# KiCad board Duet3_MB.kicad_pcb (continued)
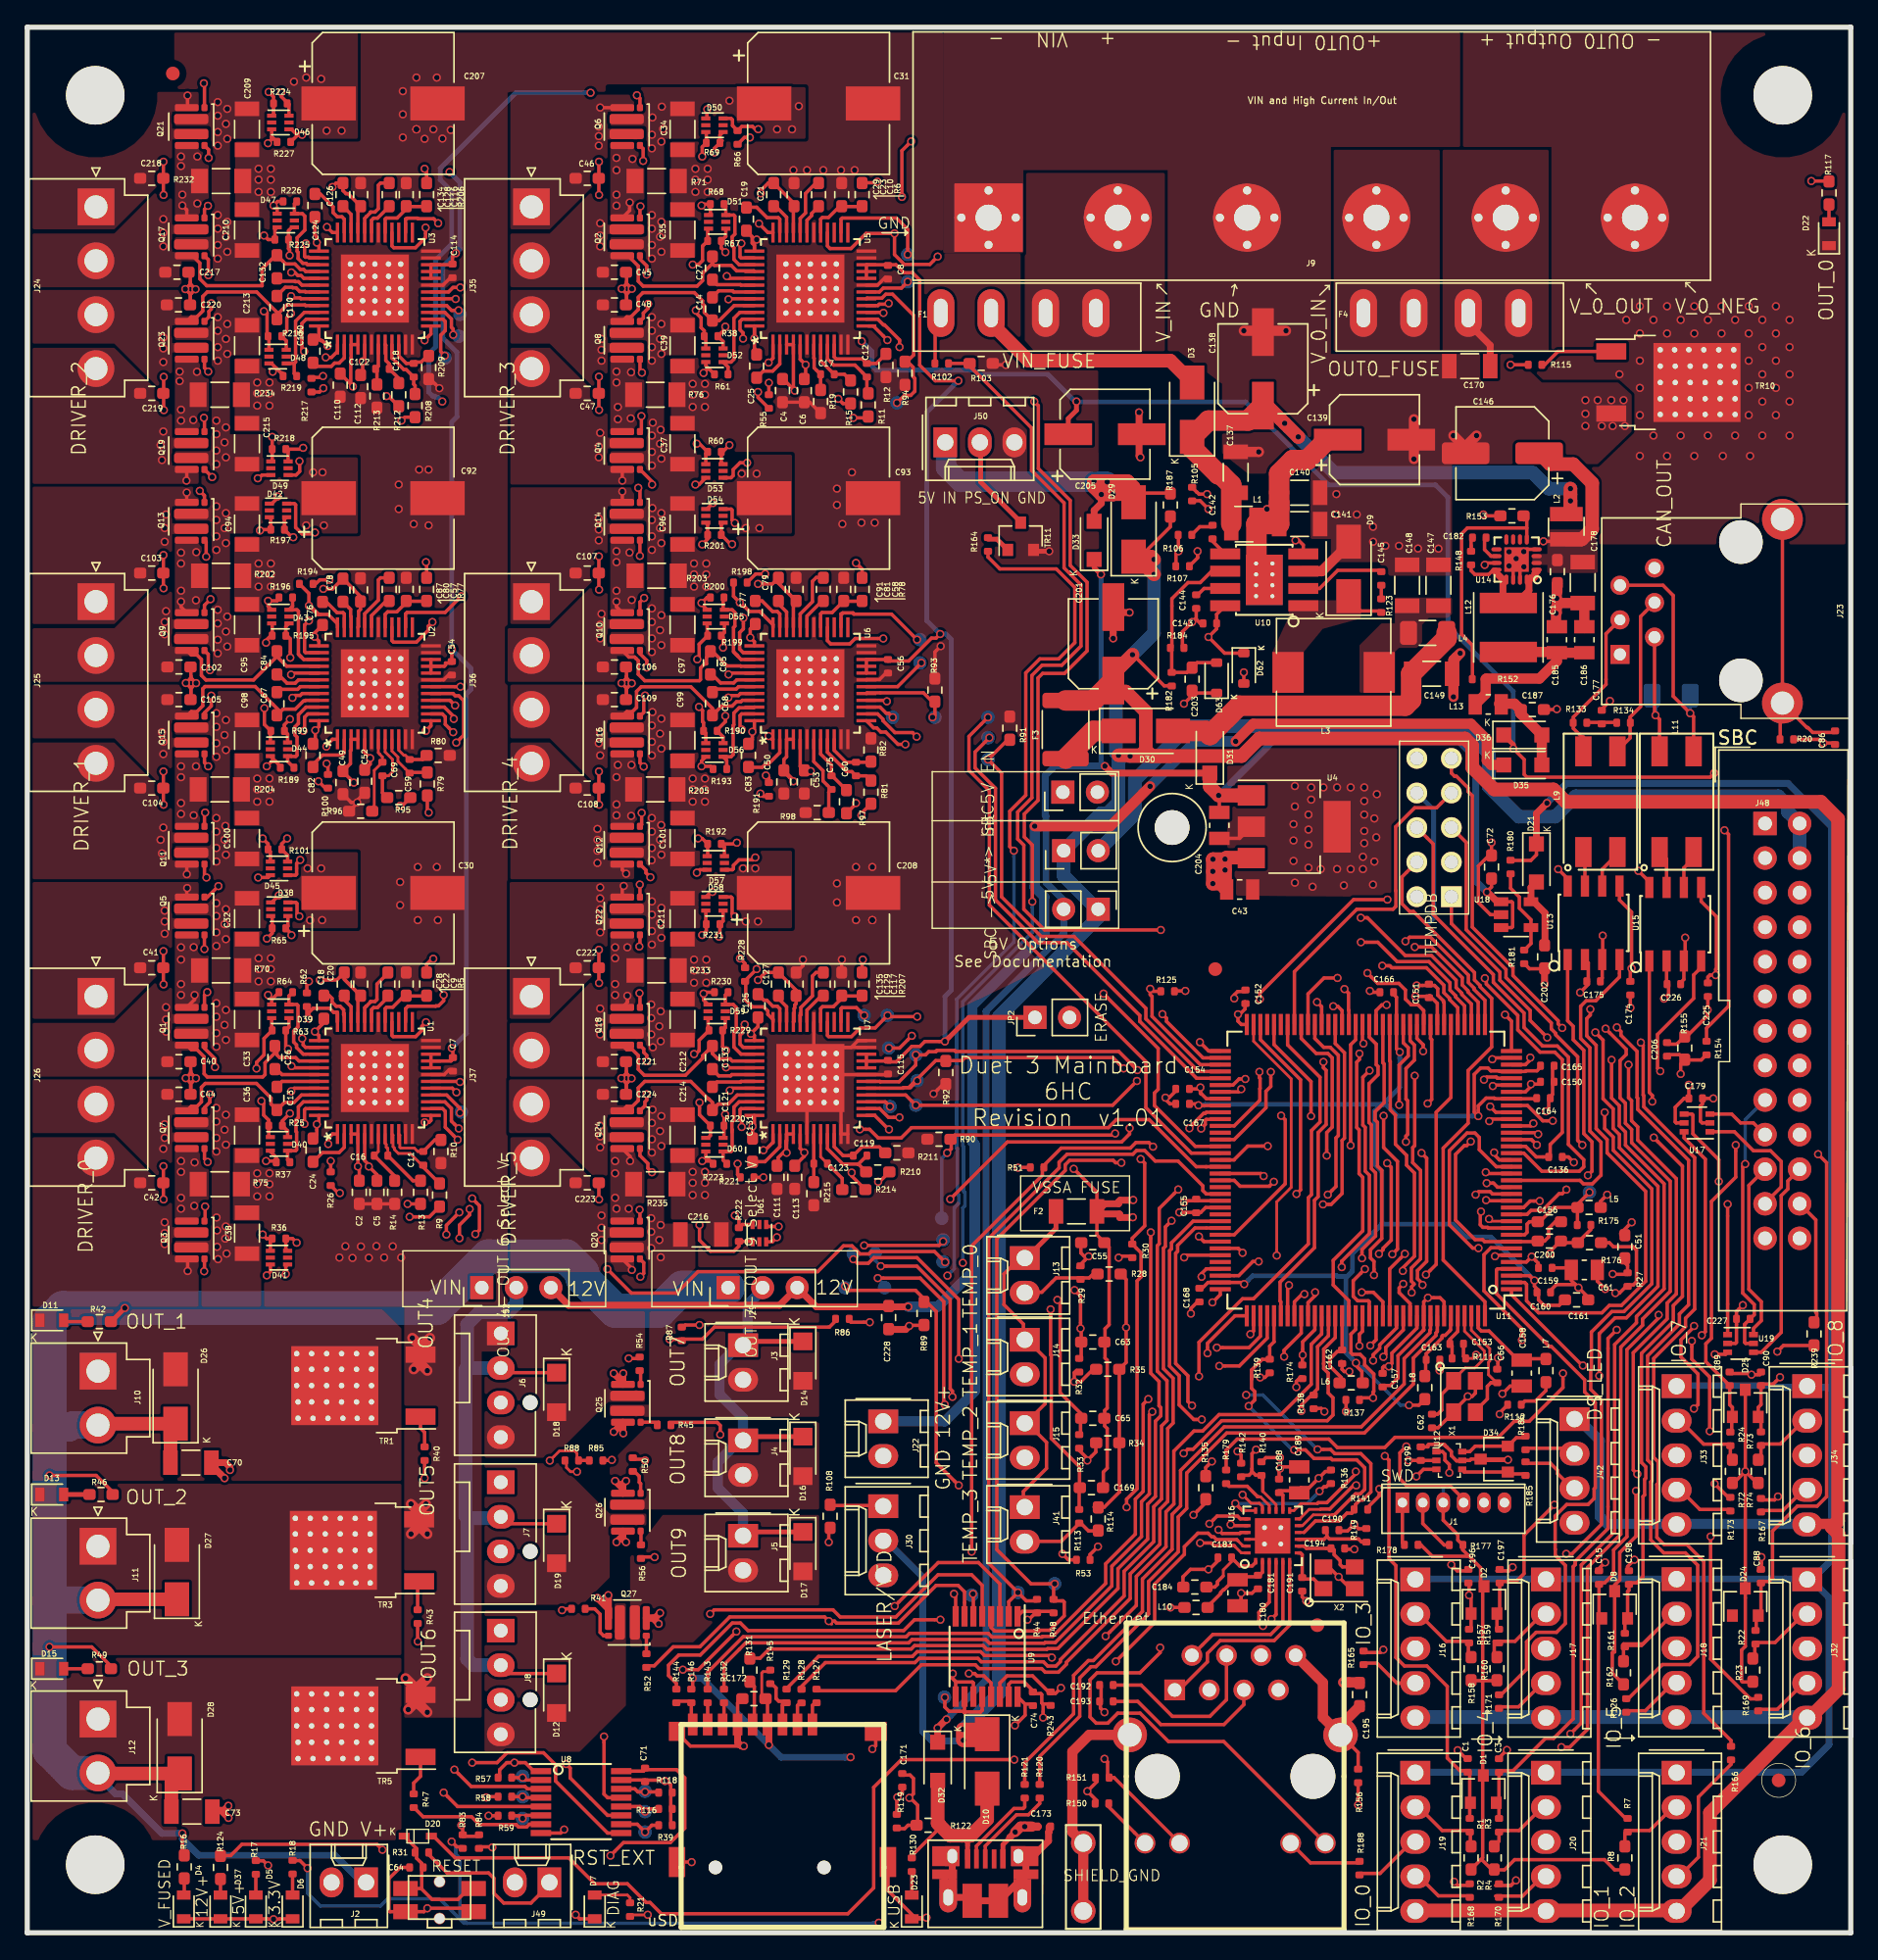
[diagram p0: board, top side]
## Routing (per net, layer and track width the routed paths; a pad name or vN(x,y) marks a point on that pad's centre or on a via; arc(x,y) is an arc through that point) (continued)
GMDC: length 26.3
  Top w0.2: 95.97,30.71 94.5,30.71 93.7,29.91 U16.11
  Top w0.25: v1(93.1,35.48) 93.93,35.48 94.56,34.85 95.8,34.85 95.9,34.75 97.69,34.75 98.28,34.16 98.28,32.57 97.96,32.25 97.61,32.25 96.07,30.71 95.92,30.71 ; 89.97,40.67 89.97,40.97 ; 89.97,40.67 89.97,41.35 90.75,42.12 91.3,42.12 91.3,43.1 91.61,43.41 91.62,43.41 U11.113 ; 89.97,40.67 89.97,40 90.21,39.76 90.21,39.15 v1(89.76,38.7)
  Bottom w0.25: v1(89.76,38.7) 92.97,35.48 v1(93.1,35.48)
GMDIO: length 26.2
  Top w0.2: U16.10 93.82,29.41
  Top w0.25: v1(89.88,43.97) 90.12,44.21 U11.110 ; 93.82,29.41 94.66,30.25 96.4,30.25 96.97,30.83 97.34,30.83 97.61,31.1 97.61,31.47 97.94,31.8 98.14,31.8 98.73,32.39 98.73,34.47 98,35.2 96.09,35.2 95.77,35.51 v1(94.82,35.51)
  In1.Cu w0.25: v1(89.57,39.51) 89.88,39.82 v1(89.88,43.97)
  Bottom w0.25: v1(94.82,35.51) 94.79,35.51 90.79,39.51 v1(89.57,39.51)
GRX0: length 20.4
  Top w0.2: U16.13 93.08,31.02 93.59,31.53 94.8,31.53
  Top w0.25: 97.89,39.15 98.03,39.3 v1(98.9,39.3) 98.9,39.72 98.95,39.77 98.95,41.05 98.28,41.72 98.28,42.16 97.94,42.49 97.39,42.49 97.27,42.61 97.27,43.98 97.62,44.33 U11.125 ; v1(97.62,33.89) 97.62,33.72 95.5,31.6 94.87,31.6 94.8,31.53
  In1.Cu w0.25: v1(97.62,33.89) 97.62,38.02 v1(98.9,39.3)
GRX1: length 20.3
  Top w0.2: 95.05,31.13 95.03,31.11 94.2,31.11 93.5,30.41 U16.12
  Top w0.25: 95.05,31.13 95.71,31.13 97.46,32.87 v1(97.66,32.87) ; U11.121 95.62,43.86 94.82,43.06 94.82,39.96 93.62,38.76 v1(93.62,38.34)
  In1.Cu w0.25: v1(97.66,32.87) 97,33.53 97,34.96 v1(93.62,38.34)
GRXDV: length 21.1
  Top w0.2: 90.79,32.43 91.77,31.46 U16.15
  Top w0.25: 90.79,32.43 90.79,33.36 90.69,33.46 ; 90,34.1 90,33.84 89.78,33.61 89.2,33.61 ; 90,34.1 90,35.2 v1(90.3,35.5) ; 90,34.1 90,33.89 90.27,33.62 90.69,33.62 ; v1(97.89,43.12) 97.89,43.97 98.12,44.2 U11.126
  In1.Cu w0.25: v1(97.89,43.12) 95.4,43.12 92.63,40.35 92.63,39.55 92.09,39.01 92.09,37.63 90.29,35.83 90.29,35.51 v1(90.3,35.5)
GRXER: length 18.3
  Top w0.2: v1(89.31,32.18) 89.93,31.56 90.54,31.56 90.77,31.33 U16.17
  Top w0.25: 93.7,41.6 93.7,42.43 v1(93.72,42.45) 93.72,43.41 94.62,44.31 U11.119
  In1.Cu w0.25: v1(93.72,42.45) 93.72,42.12 92.18,40.57 92.18,39.74 91.64,39.2 91.64,37.81 89.61,35.78 89.61,32.48 v1(89.31,32.18)
GTX0: length 23.7
  Top w0.25: v1(88.43,29.99) 88.51,29.91 U16.20 ; v1(98.9,42.04) 98.9,42.46 99.38,42.94 99.38,43.19 100.62,44.43 U11.131
  In1.Cu w0.25: v1(88.43,29.99) 88.85,29.99 91.4,32.54 91.4,35.32 92.99,36.92 92.99,38.64 93.32,38.97 96.43,38.97 98.9,41.44 v1(98.9,42.04)
GTX1: length 25
  Top w0.25: U16.21 89.17,29.41 89.1,29.34 87.81,29.34 v1(87.54,29.61) ; U11.128 99.12,43.57 v1(98.69,43.14)
  In1.Cu w0.25: v1(87.54,29.61) 87.54,30.03 88.3,30.8 88.91,30.8 90.95,32.84 90.95,35.82 92.54,37.42 92.54,38.83 93.13,39.42 96.24,39.42 98.27,41.44 98.27,42.3 98.69,42.72 v1(98.69,43.14)
GTXCK: length 39.2
  Top w0.25: U11.1 109.07,46.88 114.27,41.67 v1(114.31,41.67) ; 88.1,33.99 88.1,35.46 88.91,36.27 95.65,36.27 96.27,35.65 99.75,35.65 100.5,36.4 108.1,36.4 109.27,37.57 110.37,37.57 112.85,40.05 v1(112.85,41.1)
  In1.Cu w0.25: v1(112.85,41.1) 113.42,41.67 v1(114.31,41.67)
GTXEN: length 30.8
  Top w0.2: U16.19 89.53,30.41
  Top w0.25: v1(86.87,30.05) 87.44,30.62 88.94,30.62 89.14,30.41 U16.19 ; v1(99.65,42.31) 99.83,42.49 99.83,43.01 101.12,44.29 U11.132
  In1.Cu w0.25: v1(86.87,30.05) 86.87,30.52 88.22,31.86 88.22,35.98 88.64,36.41 89.61,36.41 91.19,38 91.19,39.39 91.73,39.92 91.73,40.76 93.1,42.13 93.1,42.75 94.13,43.78 98.96,43.78 99.65,43.09 v1(99.65,42.31)
HSDM: length 52.9
  Top w0.25: 73.3,10.88 73.3,12.5 76.89,16.09 76.89,18.91 77.98,20 78.34,20 81.95,23.61 81.95,26 84.13,28.18 84.13,30.74 84.75,31.36 84.75,33.97 87.95,37.17 98.03,37.17 101.18,40.32 101.18,42.19 103.07,44.08 103.07,44.26 103.12,44.31 U11.136
HSDP: length 52.7
  Top w0.25: 74.4,10.88 74.4,12.96 77.34,15.9 77.34,18.73 78.16,19.55 78.53,19.55 82.4,23.42 82.4,25.81 84.58,27.99 84.58,30.56 85.2,31.18 85.2,33.78 88.14,36.72 98.26,36.72 101.86,40.31 101.86,42.23 103.52,43.89 103.52,44.07 103.62,44.17 U11.137
IO_0: length 64.8
  Top w0.25: 106,8.29 106,11.76 105.85,11.91 105.28,11.91 104.35,12.84 104.35,18.1 102.85,19.6 101.2,19.6 100.57,20.23 100.57,26.98 100.07,27.48 100.07,34.72 v1(99.76,35.03) ; v1(98.96,48.32) 98.96,49.32 98.7,49.58 98.7,50.18 99.53,51.01 99.53,56.02 99.22,56.33 99.22,59.55 99.04,59.72 99.04,60.32 99.71,60.99 99.71,63.83 99.62,63.92 U11.52
  In1.Cu w0.25: v1(98.96,48.32) 98.96,47.9 99.14,47.72 99.14,45.06 101.2,43 101.2,39.77 99.76,38.33 v1(99.76,35.03)
IO_0_IN: length 6
  Top w0.25: 102,9.26 102.23,9.26 103.98,7.51 106.05,7.51 106.05,6.53 105.9,6.38
IO_0_OUT: length 4.6
  Top w0.25: 101.84,4.03 102,4.18 102.23,4.18 103.7,2.71 105.8,2.71
IO_1: length 74.2
  Top w0.25: 113.75,27.05 113.6,26.9 113.6,15.72 112.16,14.28 111.56,14.28 109.18,11.9 108.15,11.9 108.15,9.75 D1.2 108.15,9.35 108.15,8.29 ; 113.75,27.05 113.75,27.29 116.16,29.7 116.16,43.66 v1(116.8,44.3) ; 113.75,27.05 113.75,27.17 ; U11.106 89.03,48.28 90.07,49.32 v1(90.49,49.32)
  In1.Cu w0.25: v1(116.8,44.3) 111.92,44.3 110.69,45.52 110.35,45.52 109.77,46.11 107.97,46.11 102.88,51.2 97.82,51.2 96.69,50.07 95.3,50.07 94.36,49.13 91.1,49.13 90.91,49.32 v1(90.49,49.32)
IO_1_IN: length 5.5
  Top w0.25: 111.6,9.26 111.37,9.26 109.62,7.51 108.15,7.51 108.15,6.72 107.8,6.38
IO_1_OUT: length 4.3
  Top w0.25: 111.6,4.18 111.37,4.18 109.89,2.7 107.9,2.7
IO_2: length 90.1
  Top w0.2: v1(91.82,49.76) 91.82,53.7 92.88,54.77 92.88,62.74 90.12,65.5 U11.71
  Top w0.25: 117.6,8.29 117.56,8.29 115.45,10.4 115.45,23.3 115.5,23.35 115.5,25.71 115.92,25.71 116.57,26.36 116.57,28.12 117.55,29.1 117.55,42.84 119.88,45.17 v1(119.88,45.39)
  In1.Cu w0.25: v1(91.82,49.76) 94.35,49.76 95.11,50.52 96.5,50.52 97.64,51.66 103.13,51.66 105.98,48.81 105.98,48.79 108.1,46.67 109.84,46.67 110.54,45.97 110.88,45.97 111.46,45.39 v1(119.88,45.39)
IO_2_IN: length 5.5
  Top w0.25: 121.2,9.26 120.97,9.26 119.22,7.51 117.6,7.51 117.4,7.31 117.4,6.38
IO_2_OUT: length 10.5
  Top w0.25: 121.15,4.12 121.2,4.18 121.43,4.18 122.8,5.55 122.8,9.97 125.2,12.38 125.2,12.81
IO_3: length 57.6
  Top w0.25: 105.9,25.81 105.95,25.76 v1(105.95,24.8) 106.1,24.65 106.1,22.34 105.95,22.19 ; v1(112.1,59.66) 111.37,59.66 110.24,60.78 U11.28 ; v1(113.09,27.84) 113.51,27.84 115.68,30 115.68,39.14 114.89,39.92 114.89,41.35 114.94,41.39 114.94,44.14 116.44,45.64 117.33,45.64 119.38,47.68 119.38,54.66 116.55,57.49 116.55,58.46 115.92,59.09 v1(115.92,60.27)
  In1.Cu w0.25: v1(105.95,24.8) 108.99,27.84 v1(113.09,27.84) ; v1(112.1,59.66) 112.72,60.27 v1(115.92,60.27)
IO_3_IN: length 5.8
  Top w0.25: 102,23.46 102.23,23.46 104.28,21.41 105.8,21.41 105.9,21.31 105.9,20.28
IO_3_OUT: length 4.8
  Top w0.25: J16.4 100.65,18.34 99.18,19.81 98.2,19.81 ; 101.75,18.12 102,18.38
IO_4: length 61.6
  Top w0.25: D2.2 108.2,23.65 108.2,25.81 109.41,25.81 109.99,26.39 109.99,29.21 v1(112.22,31.45) ; v1(110.45,64.3) 110.36,64.21 110.36,64.05 110.09,63.78 U11.34 ; v1(118.32,33.7) 118.02,34 118.02,42.62 120.51,45.11 120.51,46.27 121.18,46.94 121.18,55.4 118.35,58.24 118.35,59.2 117.89,59.66 117.89,61.13 117.67,61.35 v1(117.67,63.78) ; 108.15,22.19 108,22.34 108,23.7
  In1.Cu w0.25: v1(112.22,31.45) 116.06,31.45 v1(118.32,33.7) ; v1(117.67,63.78) 116.6,64.84 112.83,64.84 112.29,64.3 v1(110.45,64.3)
IO_4_IN: length 5.8
  Top w0.25: 111.6,23.46 111.37,23.46 109.32,21.41 107.8,21.41 107.8,20.28
IO_4_OUT: length 4.3
  Top w0.25: 108.15,16.6 109.59,16.6 111.37,18.38 111.6,18.38 111.54,18.32
IO_5: length 50.5
  Top w0.25: 117.4,22.09 117.4,23.25 117.6,23.45 117.6,25.07 117.7,25.18 117.7,25.71 118.28,25.71 118.73,26.17 118.73,32.05 118.85,32.17 118.85,33.31 118.94,33.4 118.94,34.23 118.62,34.55 118.62,42.57 120.96,44.91 120.96,46.08 121.63,46.75 121.63,56.32 v1(119.53,58.42) ; v1(110.93,57.88) 110.53,58.28 U11.23
  In1.Cu w0.25: v1(110.93,57.88) 112.52,57.88 113.14,58.5 114.57,58.5 114.65,58.42 v1(119.53,58.42)
IO_5_IN: length 9.3
  Top w0.25: 119.51,22 120.97,23.46 121.2,23.46 ; 119.51,22 118.73,21.22 117.3,21.22 117.3,20.18 ; 119.51,22 118.62,21.11 117.4,21.11 ; 121.2,23.46 121.43,23.46 ; 121.2,23.46 121.74,24
IO_5_OUT: length 4.6
  Top w0.25: 121.2,18.38 120.97,18.38 118.9,16.31 117.5,16.31
IO_6: length 62.6
  Top w0.25: 127,22.1 127.05,22.15 127.05,23.3 127.4,23.65 127.4,25.81 127.97,25.81 128.25,26.09 128.25,29.52 130.08,31.34 131.52,31.34 132.23,32.05 132.23,56.57 v1(131.6,57.2) ; U11.24 110.92,58.78 v1(111.03,58.67)
  In1.Cu w0.25: v1(131.6,57.2) 131.18,57.2 131,57.37 126.1,57.37 125.97,57.25 125.25,57.25 123.44,59.05 113.05,59.05 112.38,58.37 111.33,58.37 v1(111.03,58.67)
IO_6_IN: length 5.9
  Top w0.25: 126.8,20.18 126.95,20.32 126.95,21.28 127,21.32 128.44,21.32 130.57,23.46 130.8,23.46
IO_6_OUT: length 4.4
  Top w0.25: 127.2,16.41 128.6,16.41 130.57,18.38 130.8,18.38
IO_7: length 40.7
  Top w0.25: v1(125.55,57.87) 125.55,55.52 123.76,53.73 123.76,43.69 123.35,43.27 123.35,41.95 C89.1 125.1,38.8 125.3,38.6 D25.1 125.25,37.85 125.25,36.93 125,36.68 ; U11.25 110.49,59.28 v1(110.68,59.46)
  In1.Cu w0.25: v1(110.68,59.46) 111.37,59.46 111.8,59.03 112.4,59.03 112.96,59.59 123.83,59.59 v1(125.55,57.87)
IO_7_IN: length 5.9
  Top w0.25: 121.2,37.66 121.43,37.66 123.19,35.9 125.15,35.9 125.15,34.93 125.3,34.78
IO_7_OUT: length 4.6
  Top w0.25: 125.15,31.1 122.91,31.1 121.43,32.58 121.2,32.58
IO_8: length 40.4
  Top w0.25: 127.4,36.69 127.4,37.7 D25.2 127.2,38.6 127.4,38.8 127.4,40.31 128.3,40.31 v1(128.8,40.81) ; U11.10 107.36,51.78 107.31,51.83 106.97,51.83 106.77,52.02 106.77,52.93 v1(106.83,52.99)
  In1.Cu w0.25: v1(106.83,52.99) 106.92,53.08 107.71,53.08 108.3,52.48 116.97,52.48 117.32,52.83 122.77,52.83 129.68,45.92 129.68,41.69 v1(128.8,40.81)
IO_8_IN: length 5.3
  Top w0.25: 130.8,37.66 130.57,37.66 128.82,35.91 127.4,35.91 127.4,34.97 127.2,34.78
IO_8_OUT: length 4
  Top w0.25: 127.4,31.03 129.01,31.03 130.57,32.58 130.8,32.58
MCCDA: length 56.4
  Top w0.25: U11.112 91.12,43.69 89.07,41.64 v1(87.6,41.64) ; 55.8,17.79 55.8,17.95 58.15,20.3 65.05,20.3 65.4,20.65 70.06,20.65 70.34,20.37 75.14,20.37 v1(75.29,20.22)
  In1.Cu w0.25: v1(75.29,20.22) 75.29,22.88 77.54,25.13 77.54,32.77 80.85,36.08 80.85,39.87 82.13,41.14 82.17,41.14 82.53,41.51 87.46,41.51 v1(87.6,41.64)
MCCK: length 85.2
  Top w0.25: U11.59 96.12,65.33 96.79,64.65 96.79,58.39 96.62,58.21 96.62,54.32 95.82,53.51 v1(95.22,53.51) ; 53.1,20.18 53.85,20.18 54.52,20.85 64.96,20.85 65.21,21.1 70.25,21.1 70.52,20.82 74.93,20.82 74.98,20.87 75.73,20.87 80.15,25.3 80.15,26.74 82.33,28.92 82.33,31.49 82.91,32.06 82.91,37.59 83.3,37.98 83.3,38.58 83.17,38.71 83.17,40.5 82.56,41.11 v1(82.56,51.46)
  In1.Cu w0.25: v1(82.56,51.46) 82.98,51.46 83.19,51.66 85.11,51.66 86.2,52.75 93.11,52.75 93.58,53.22 94.5,53.22 94.79,53.51 v1(95.22,53.51)
MCDA0: length 65.7
  Top w0.25: v1(93.85,46.92) 93.68,46.92 93.12,46.36 U11.116 ; v1(82.68,38.28) 82.46,38.06 82.46,32.25 81.88,31.67 81.88,29.11 79.7,26.93 79.7,25.48 75.54,21.33 74.79,21.33 74.74,21.27 70.71,21.27 70.43,21.55 65.02,21.55 64.77,21.3 52.8,21.3 52.34,20.84 52.34,20.84 51.2,19.7 51.2,17.79
  In1.Cu w0.25: v1(93.85,46.92) 92.86,45.93 90.91,45.93 89.26,44.27 89.26,41.11 87.51,39.36 83.75,39.36 v1(82.68,38.28)
MCDA1: length 68.2
  Top w0.25: v1(94.64,47.06) 94.64,46.82 94.12,46.3 U11.118 ; 50,17.79 50,19.14 52.61,21.75 64.59,21.75 64.84,22 70.62,22 70.89,21.72 74.56,21.72 74.61,21.78 75.36,21.78 79.25,25.67 79.25,27.11 81.43,29.29 81.43,31.86 82.01,32.44 82.01,38.84 v1(82.38,39.21)
  In1.Cu w0.25: v1(82.38,39.21) 82.98,39.81 87.32,39.81 88.81,41.29 88.81,44.46 90.72,46.38 92.42,46.38 93.72,47.68 94.02,47.68 v1(94.64,47.06)
MCDA2: length 82.1
  Top w0.25: v1(84.09,52.31) 83.63,51.86 83.63,50.44 83.49,50.29 83.49,41.45 84.2,40.74 84.2,37.44 83.81,37.05 83.81,31.69 83.23,31.11 83.23,28.55 81.05,26.37 81.05,24.56 76.37,19.87 76.37,19.73 75.78,19.14 74.8,19.14 74.54,19.41 69.95,19.41 69.67,19.69 65.71,19.69 63.81,17.79 58,17.79 ; U11.62 94.62,65.71 95.27,65.05 95.76,65.05 96.34,64.47 96.34,58.57 96.17,58.4 96.17,54.83 v1(95.57,54.23)
  In1.Cu w0.25: v1(84.09,52.31) 84.51,52.31 84.52,52.3 84.98,52.3 85.88,53.2 92.92,53.2 93.39,53.67 93.8,53.67 94.36,54.23 v1(95.57,54.23)
MCDA3: length 82.6
  Top w0.25: v1(93.27,54.28) 93.57,54.58 93.57,62.67 90.62,65.62 U11.70 ; 56.8,17.78 56.8,18 58.65,19.85 65.23,19.85 65.54,20.16 69.86,20.16 70.11,19.91 74.68,19.91 74.99,19.59 75.59,19.59 75.92,19.92 75.92,20.06 80.6,24.74 80.6,26.55 82.78,28.73 82.78,31.3 83.36,31.88 83.36,37.24 83.75,37.63 83.75,40.56 83.04,41.27 83.04,50.48 83.18,50.62 83.18,53.21 v1(84.58,54.61)
  In1.Cu w0.25: v1(84.58,54.61) 85.06,54.61 86.02,53.65 92.63,53.65 v1(93.27,54.28)
O4_TACHO: length 58.9
  Top w0.25: U11.48 101.62,65.54 101.93,65.22 101.93,64.11 101.32,63.5 101.32,61.25 101.44,61.13 101.44,58.66 101.31,58.53 v1(101.31,58.11) ; v1(61.91,44.86) 60.53,44.86 60.29,45.1
  In1.Cu w0.25: v1(101.31,58.11) 100.95,58.47 94.2,58.47 93.33,57.61 91.85,57.61 91.39,57.15 89.43,57.15 89.35,57.07 83.56,57.07 81.99,55.5 69.37,55.5 68.65,54.77 67.66,54.77 65.2,52.31 65.2,47.98 65.01,47.79 65.01,47.14 62.73,44.86 v1(61.91,44.86)
O5_TACHO: length 78
  Top w0.25: v1(96.79,69.34) 97.09,69.04 97.09,67.79 97.12,67.76 U11.57 ; 42.19,34.7 42.92,34.7 v1(42.96,34.74)
  In1.Cu w0.25: v1(42.96,34.74) 48.4,40.18 48.4,44.54 49.18,45.32 59.59,45.32 61.29,47.02 62.35,47.02 63.16,47.84 63.16,48.49 63.4,48.72 63.4,53.06 67.01,56.67 68,56.67 69.67,58.35 71.91,58.35 77.04,63.48 78.33,63.48 80.82,65.97 83.72,65.97 88.04,70.3 95.21,70.3 96.17,69.34 v1(96.79,69.34)
O6_TACHO: length 97.6
  Top w0.25: 33.2,6.31 34.14,6.31 v1(34.18,6.27) ; U11.99 85.81,51.78 84.53,50.5 84.53,50.06 84.39,49.92 84.39,41.82 85.29,40.93 85.29,39.03 v1(85.59,38.73)
  In1.Cu w0.25: v1(34.18,6.27) 34.85,5.61 41.7,5.61 42.64,4.67 43.15,4.67 46.43,1.39 60.95,1.39 62.4,2.84 62.4,9.42 66.49,13.5 71.75,13.5 73.23,14.98 75.14,14.98 77.73,17.57 77.73,20.56 77.72,20.57 77.72,22.58 79.76,24.62 79.76,30.73 79.71,30.78 79.71,32.04 85.59,37.92 v1(85.59,38.73)
OUT_0: length 88.1
  Top w0.25: 68.87,16.18 68.92,16.23 70.05,16.23 70.17,16.35 ; 68.87,16.18 68.88,16.18 U9.10 ; 68.87,16.18 68.77,16.27 67.74,16.27 67.43,16.58 v1(67.43,17.29) ; 70.17,16.35 U9.12 ; 70.17,16.35 70.05,16.22 ; U11.35 107.76,64.28 v1(107.66,64.18) ; v1(98.64,63.35) 98.14,62.86 98.14,59.35 98.32,59.17 98.32,55.96 98.63,55.65 98.63,51.37 96.59,49.34 v1(96.59,48.9) ; R53.2 78.1,27.79 v1(78.68,28.37)
  In1.Cu w0.25: v1(67.43,17.29) 67.85,17.29 68.25,16.89 75.78,16.89 76.83,17.94 76.83,20.19 76.73,20.29 76.73,22.86 78.68,24.81 v1(78.68,28.37) 78.68,28.78 ; v1(98.64,63.35) 99.06,63.35 99.79,64.08 102.79,64.08 102.89,64.18 v1(107.66,64.18) ; 78.68,28.82 78.68,32.28 81.75,35.36 81.75,39.5 82.51,40.26 87.13,40.26 88.36,41.48 88.36,44.74 91.85,48.23 95.92,48.23 v1(96.59,48.9)
OUT_0_BUFF: length 144.6
  Top w0.25: U9.11 69.53,18.35 69.45,18.43 68.25,18.43 67.84,18.84 ; 69.53,17 69.53,17.16 ; 67.84,18.84 68.01,19.01 v1(68.01,19.04) ; 67.84,18.84 68.22,18.46 U9.9 ; 110.31,115.2 v1(109,115.2) ; v1(73.86,75.76) 73.86,79.92 73.27,80.51 73.27,82.2 74.27,83.2 74.27,92.19 74.61,92.53 76.23,92.53 77.88,94.18 77.88,99.22 76.64,100.46 76.64,105.24 74.3,107.58 74.3,112.2 v1(74,112.5)
  In1.Cu w0.25: v1(109,115.2) 76.7,115.2 v1(74,112.5) ; v1(68.75,49.22) 68.75,47.84 67.27,46.36 67.27,40.63 66.28,39.64 66.28,23.61 66.4,23.49 66.4,20.65 v1(68.01,19.04)
  Bottom w0.25: v1(68.75,49.22) 68.75,53.26 68.9,53.41 68.9,54.39 68.8,54.49 68.8,57.76 68.75,57.81 68.75,68.4 73.86,73.51 v1(73.86,75.76)
OUT_0_NEG:
  vias: v1(117,114.5) v1(117.5,118.5) v1(118.5,119.5) v1(118.5,117.5) v1(118.5,115.5) v1(118.5,113.5) v1(118.5,111.5) v1(118.5,108.5) v1(119.5,118.5) v1(119.5,110) v1(120.5,119.5) v1(120.5,117.5) v1(120.5,108.5) v1(121.5,118.5) v1(121.5,110) v1(122.5,119.5) v1(122.5,117.5) v1(122.5,108.5) v1(123.5,118.5) v1(123.5,110) v1(124.5,119.5) v1(124.5,117.5) v1(124.6,108.5) v1(125.5,118.5) v1(125.5,110) v1(126.5,119.5) v1(126.5,117.5) v1(126.5,115.5) v1(126.5,113.5) v1(126.5,111.5) v1(126.6,108.5) v1(127.5,118.5) v1(127.5,116.5) v1(127.5,114.5) v1(127.5,112.5) v1(127.5,110) v1(128.5,119.5) v1(128.5,117.5) v1(128.5,115.5) v1(128.5,113.5) v1(128.5,111.5) v1(129.5,118.5) v1(129.5,116.5) v1(129.5,114.5) v1(129.5,112.5) v1(129.5,110)
OUT_1: length 120.6
  Top w0.25: 35.49,11.4 v1(36.4,11.4) 36.58,11.22 U8.2 ; U11.56 97.62,65.61 97.24,65.24 v1(97.24,57.84)
  In1.Cu w0.25: v1(36.4,11.4) 37.24,10.56 37.24,8.67 38.95,6.96 43.25,6.96 47.28,2.93 53.74,2.93 64.9,14.09 64.9,40.17 65.92,41.19 65.92,47.43 66.1,47.6 66.1,51.17 66.9,51.97 67.5,51.97 70.58,55.05 82.18,55.05 83.74,56.62 89.54,56.62 89.62,56.7 91.58,56.7 92.03,57.16 93.52,57.16 94.21,57.84 v1(97.24,57.84)
OUT_1_BUFF: length 30.6
  Top w0.25: U8.3 36.75,10.57 36.58,10.75 32.62,10.75 v1(31.39,11.99) ; 29.2,34.72 v1(29.2,33.4)
  In1.Cu w0.25: v1(31.39,11.99) 31.39,31.21 v1(29.2,33.4)
OUT_1_NEG: length 0.2
  Top w0.75: 5.34,41.4 J10.1
OUT_2: length 118.7
  Top w0.25: v1(102.91,60.93) 103.21,61.23 103.21,65.62 103.12,65.71 U11.45 ; 35.49,10 v1(36.4,10) 36.48,9.93 U8.4 ; v1(48.18,19.33) 49.31,19.33 v1(52.11,22.13)
  In1.Cu w0.25: v1(36.4,10) 35.17,11.23 35.17,12.8 35.51,13.13 37.93,13.13 39.29,11.77 40.62,11.77 v1(48.18,19.33) ; v1(52.11,22.13) 52.41,22.43 52.41,24.17 50.6,25.98 50.6,33.69 50.3,33.99 50.3,40.61 51.59,41.9 58.07,41.9 61.85,45.67 62.91,45.67 64.56,47.33 64.56,47.98 64.75,48.16 64.75,52.5 67.47,55.22 68.46,55.22 69.68,56.44 71.93,56.44 77.47,61.98 81.22,61.98 81.24,61.96 81.84,61.96 81.87,61.98 84.2,61.98 84.76,61.42 87.78,61.42 88.29,60.91 90,60.91 90.2,61.11 92.84,61.11 93.39,61.65 95.25,61.65 95.81,61.1 99.39,61.1 99.75,61.45 102.38,61.45 v1(102.91,60.93)
OUT_2_BUFF: length 20.8
  Top w0.25: U8.5 31.62,9.28 v1(30.6,10.3) ; v1(28.7,21.4) 28.69,21.41 28.69,22.75
  In1.Cu w0.25: v1(30.6,10.3) 30.6,19.5 v1(28.7,21.4)
OUT_3: length 118.9
  Top w0.25: U8.6 36.62,8.62 v1(36.4,8.4) 36.2,8.6 35.49,8.6 ; v1(95.49,57.1) 95.49,58.79 95.89,59.19 95.89,64.28 95.57,64.6 94.72,64.6 93.62,65.71 U11.64
  In1.Cu w0.25: v1(95.49,57.1) 95.1,56.71 92.22,56.71 91.76,56.25 90.56,56.25 90.48,56.17 83.93,56.17 82.36,54.6 70.76,54.6 67.69,51.52 67.09,51.52 66.55,50.98 66.55,47.42 66.37,47.24 66.37,41 65.38,40.01 65.38,13.94 53.92,2.48 47.09,2.48 43.06,6.51 38.29,6.51 v1(36.4,8.4)
OUT_3_BUFF: length 10
  Top w0.25: 28.4,9.22 29.09,8.53 32.65,8.53 33.23,7.95 35.92,7.95 36.1,7.77 36.7,7.77 36.9,7.97 U8.7
OUT_4: length 109.4
  Top w0.25: U8.10 44.83,7.97 v1(45.4,7.4) 45.9,7.9 46.51,7.9 ; v1(67.83,53.9) 72.03,58.1 80.41,58.1 81,58.69 v1(81,59.12) ; v1(100.82,60.83) 100.82,63.75 101.48,64.42 101.48,65.02 101.12,65.39 U11.49
  In1.Cu w0.25: v1(100.82,60.83) 100.39,60.83 100.21,60.65 95.62,60.65 95.07,61.2 93.57,61.2 93.03,60.66 91.84,60.66 91.64,60.46 88.69,60.46 88.4,60.16 85.75,60.16 85.37,60.54 82.43,60.54 v1(81,59.12) ; v1(45.4,7.4) 57.57,7.4 64.45,14.28 64.45,40.35 65.46,41.36 65.46,47.6 65.65,47.79 65.65,51.72 v1(67.83,53.9)
OUT_4_BUFF: length 52.8
  Top w0.25: v1(32.7,12.5) 34.52,12.5 35.25,13.23 37.94,13.23 38.83,12.34 38.83,11.15 42.65,7.32 U8.9 ; 45,42.19 44.21,42.19 v1(44.2,42.2)
  In1.Cu w0.25: v1(44.2,42.2) 39.8,42.2 37.9,40.3 37.9,37.68 35.02,34.8 34,34.8 32.7,33.5 v1(32.7,12.5)
OUT_4_TACHO: length 27.3
  Top w0.25: 59.51,45.1 59.51,45.06 58.95,44.5 50.5,44.5 49.61,43.61 48.1,43.61 48.09,43.6 v1(47.2,43.6)
  In1.Cu w0.25: J6.3 34.95,38.95 39.6,43.6 v1(47.2,43.6)
OUT_5: length 101.4
  Top w0.25: U11.58 96.62,67.76 96.3,68.07 v1(95.97,68.07) ; U8.14 44.65,10.57 44.88,10.35 v1(45.4,10.35) 46.46,10.35 46.51,10.3
  In1.Cu w0.25: v1(95.97,68.07) 94.7,69.34 88.39,69.34 84.11,65.06 81.2,65.06 78.58,62.43 77.27,62.43 72.28,57.45 70.05,57.45 68.27,55.67 67.28,55.67 64.3,52.69 64.3,48.35 64.06,48.11 64.06,47.46 62.72,46.12 61.66,46.12 59.93,44.4 51.28,44.4 49.85,42.96 49.85,33.8 50.15,33.5 50.15,25.79 51.92,24.03 51.92,22.86 51.49,22.43 51.49,16.86 45.4,10.77 v1(45.4,10.35)
OUT_5_BUFF: length 23.2
  Top w0.25: 45.1,27.61 46.09,27.61 v1(46.1,27.6) ; v1(42.38,14.42) 42.38,10.19 42.65,9.93 U8.13
  In1.Cu w0.25: v1(42.38,14.42) 48.3,20.33 48.3,24.8 46.1,27 v1(46.1,27.6)
OUT_5_TACHO: length 13
  Top w0.2: v1(38.4,34.69) 39.11,35.4 40.23,35.4 40.4,35.22 40.4,34.7
  Top w0.25: 41.41,34.7 40.4,34.7
  In1.Cu w0.2: v1(38.4,34.69) 36.96,34.69 36.28,34.01 36.28,29.4 34.8,27.92
OUT_6: length 119.5
  Top w0.25: 46.51,9.1 45.6,9.1 v1(45.4,8.9) 45.03,9.28 U8.12 ; v1(108.59,67.45) 109.07,66.98 U11.36
  In1.Cu w0.25: v1(45.4,8.9) 44.7,9.6 44.7,15.14 47.55,17.99 49.19,17.99 49.61,18.41 49.61,21.19 51.47,23.05 51.47,23.82 49.7,25.58 49.7,33.31 49.4,33.61 49.4,43.15 51.1,44.85 59.74,44.85 61.47,46.57 62.54,46.57 63.61,47.65 63.61,48.3 63.85,48.54 63.85,52.87 67.1,56.12 68.09,56.12 69.86,57.9 72.1,57.9 77.23,63.03 78.54,63.03 81.02,65.51 83.93,65.51 88.23,69.82 95.02,69.82 96.14,68.7 98.03,68.7 98.22,68.51 98.22,68.46 99.53,67.15 108.29,67.15 v1(108.59,67.45)
OUT_6_BUFF: length 19.7
  Top w0.25: v1(39.6,12.4) 39.9,12.1 39.9,11.38 42.65,8.62 U8.11 ; v1(39.3,23.7) 39.4,23.8 40.11,23.8
  In1.Cu w0.25: v1(39.6,12.4) 39.3,12.4 37.9,13.8 37.9,22.3 v1(39.3,23.7)
OUT_6_TACHO: length 12.6
  Top w0.25: 34.65,17.12 J8.3 ; v1(31.9,7.9) 32,7.8 32,7.09 33.2,7.09
  In1.Cu w0.25: J8.3 33.33,15.65 33.33,12.2 32.81,11.68 32.81,8.81 v1(31.9,7.9)
OUT_7: length 52
  Top w0.25: v1(72.8,25) 72.12,24.32 U9.2 ; v1(72.8,25) 73.41,24.39 74.2,24.39 ; v1(72.8,25) 70.65,27.15 70.65,51.02 75.83,56.19 75.83,56.61 76.41,57.2 81.25,57.2 81.52,57.47 82.12,57.47 82.89,56.7 84.56,56.7 86.39,54.88 86.39,54.53 86.64,54.28 U11.94
OUT_7_BUFF: length 42.2
  Top w0.25: 47.19,37.5 50.7,37.5 50.93,37.27 v1(50.93,36.6) ; U9.3 71.47,25.62 69.9,27.2 66.94,27.2 v1(63.74,24)
  In1.Cu w0.25: v1(50.93,36.6) 50.93,36.18 51.13,35.98 51.13,26.09 55.02,22.2 61.94,22.2 v1(63.74,24)
OUT_8: length 59
  Top w0.25: U11.82 86.64,60.28 86.57,60.21 86.45,60.21 85.7,59.46 85.7,59.4 v1(85.4,59.1) ; v1(80.4,56.58) 79.98,56.58 79.8,56.75 76.6,56.75 76.28,56.43 76.28,56.01 71.25,50.98 71.25,28.15 73.76,25.64 v1(75.5,25.64) 75.42,25.56 75.42,24.39 ; 75.42,24.39 76.11,24.39 76.2,24.3 76.2,23.29 75.14,22.23 74.42,22.23 74.37,22.18 71.08,22.18 70.83,22.43 U9.4 ; 75.42,24.39 75.42,24.48
  In1.Cu w0.25: v1(85.4,59.1) 82.51,59.1 80.7,57.29 80.7,56.88 v1(80.4,56.58)
OUT_8_BUFF: length 39.5
  Top w0.25: v1(45.4,34.7) 45.31,34.79 44.5,34.79 ; 70.26,23.34 U9.5 70.17,25.53 69.4,26.3 66.93,26.3 63.83,23.2 59.74,23.2 59.21,23.73 50.48,23.73 v1(50.18,23.43)
  In1.Cu w0.25: v1(45.4,34.7) 46.9,34.7 48.7,32.9 48.7,29.5 ; 48.7,29.6 48.7,29.5 ; 48.7,29.5 48.7,25.1 49.88,23.92 49.88,23.73 v1(50.18,23.43)
OUT_9: length 64.8
  Top w0.25: v1(69.5,24.9) 69.53,24.88 U9.6 ; v1(94.34,60) 94.34,62.54 91.62,65.26 U11.68 ; v1(82.73,57.76) 82.43,58.06 81.46,58.06 81.06,57.65 75.98,57.65 74.6,56.27 74.6,55.66 69.4,50.46 v1(69.4,28)
  In1.Cu w0.25: 84.39,57.97 84.52,57.97 ; 84.52,57.97 84.48,58.01 82.98,58.01 v1(82.73,57.76) ; 84.52,57.97 88.97,57.97 89.95,58.96 92.77,58.96 93.82,60 v1(94.34,60) ; v1(69.4,28) 69.5,27.9 v1(69.5,24.9)
OUT_9_BUFF: length 35.4
  Top w0.25: 59.1,22.7 v1(58.9,22.9) ; v1(58.9,22.9) 58.59,23.21 51.62,23.21 49.43,21.01 47.47,21.01 46.08,19.61 45.5,19.61 ; v1(58.9,22.9) 59.32,22.9 59.47,22.75 64.01,22.75 66.79,25.53 68.4,25.53 68.88,25.05 U9.7 ; 59,29.81 58.9,29.71 v1(58.9,28.7)
  In1.Cu w0.25: v1(58.9,22.9) v1(58.9,28.7)
PHY_INTERRUPT: length 50.8
  Top w0.2: U16.18 89.51,31.02
  Top w0.25: 89.51,31.02 89.29,31.02 v1(88.77,31.54) ; v1(98.08,49.56) 98.08,50.19 99.08,51.19 99.08,55.83 98.77,56.14 98.77,59.36 98.59,59.53 98.59,62.38 99.26,63.05 99.26,63.65 99.13,63.78 99.13,65.28 98.62,65.8 U11.54 ; 95.8,33.11 95.46,32.77 95.29,32.77 v1(94.96,32.44)
  In1.Cu w0.25: v1(98.08,49.56) 97.67,49.15 97.67,48.46 98.69,47.44 98.69,44.87 100.75,42.81 100.75,39.96 98.3,37.51 98.3,32.59 97.85,32.14 95.26,32.14 v1(94.96,32.44)
  Bottom w0.25: v1(88.77,31.54) 94.06,31.54 v1(94.96,32.44)
PHY_RESET: length 33.9
  Top w0.2: 88.69,28.44 89.22,27.91 U16.24
  Top w0.25: v1(85.7,30.7) 86.6,31.6 86.6,32.05 ; 88.48,28.44 88.69,28.44 87.21,28.44 87.01,28.64 v1(86.19,28.64) ; v1(86.31,37.71) 85.72,37.71 84.65,38.78 84.65,40.93 83.94,41.64 83.94,50.11 84.08,50.25 84.08,50.69 85.68,52.28 U11.98
  In1.Cu w0.25: v1(86.19,28.64) 85.59,29.23 85.59,30.59 v1(85.7,30.7) 85.7,34.23 86.31,34.83 v1(86.31,37.71)
PS_ON: length 66.6
  Top w0.25: U9.14 71.47,18.35 72,18.88 73.87,18.88 75.16,17.59 75.56,17.59 v1(75.96,17.99) ; U11.66 92.62,65.23 94.99,62.86 94.99,59.56 94.37,58.94 94.37,54.23 94.14,54 94.14,50.61 90.11,46.58 89.3,46.58 86.1,43.38 v1(86.1,40.88)
  In1.Cu w0.25: v1(75.96,17.99) 75.96,22.73 78.05,24.82 78.05,32.29 81.3,35.54 81.3,39.69 82.31,40.69 82.35,40.69 82.54,40.88 v1(86.1,40.88)
PS_ON_BUFF: length 99.7
  Top w0.25: v1(69.19,19.05) 69.62,19.05 69.79,18.88 70.3,18.88 70.83,18.35 U9.13 ; 70.6,101.61 70.6,101.07 71.47,100.2 75.62,100.2 76.98,98.84 76.98,94.78 75.79,93.59 74.41,93.59 73.37,92.56 73.37,83.57 72.2,82.4 72.2,79.8 v1(72.5,79.5)
  In1.Cu w0.25: v1(67.62,48.28) 67.62,47.85 66.82,47.06 66.82,40.81 65.83,39.82 65.83,20.16 67.64,18.35 68.49,18.35 v1(69.19,19.05)
  Bottom w0.25: v1(72.5,79.5) 72.5,72.79 68.3,68.59 68.3,57.63 68.35,57.58 68.35,54.3 68.45,54.2 68.45,53.6 68.13,53.27 68.13,48.79 v1(67.62,48.28)
